# Altium PCB PCB_v2.PcbDoc (part 2 of 2)
Units mm, origin at the board's own origin, x right, y up, seen from the top; angles counter-clockwise.
Board outline 220 x 129.77 mm, 2 copper layers (Top Layer, Bottom Layer); 145 components, 83 nets, 483 pads, 5 vias.
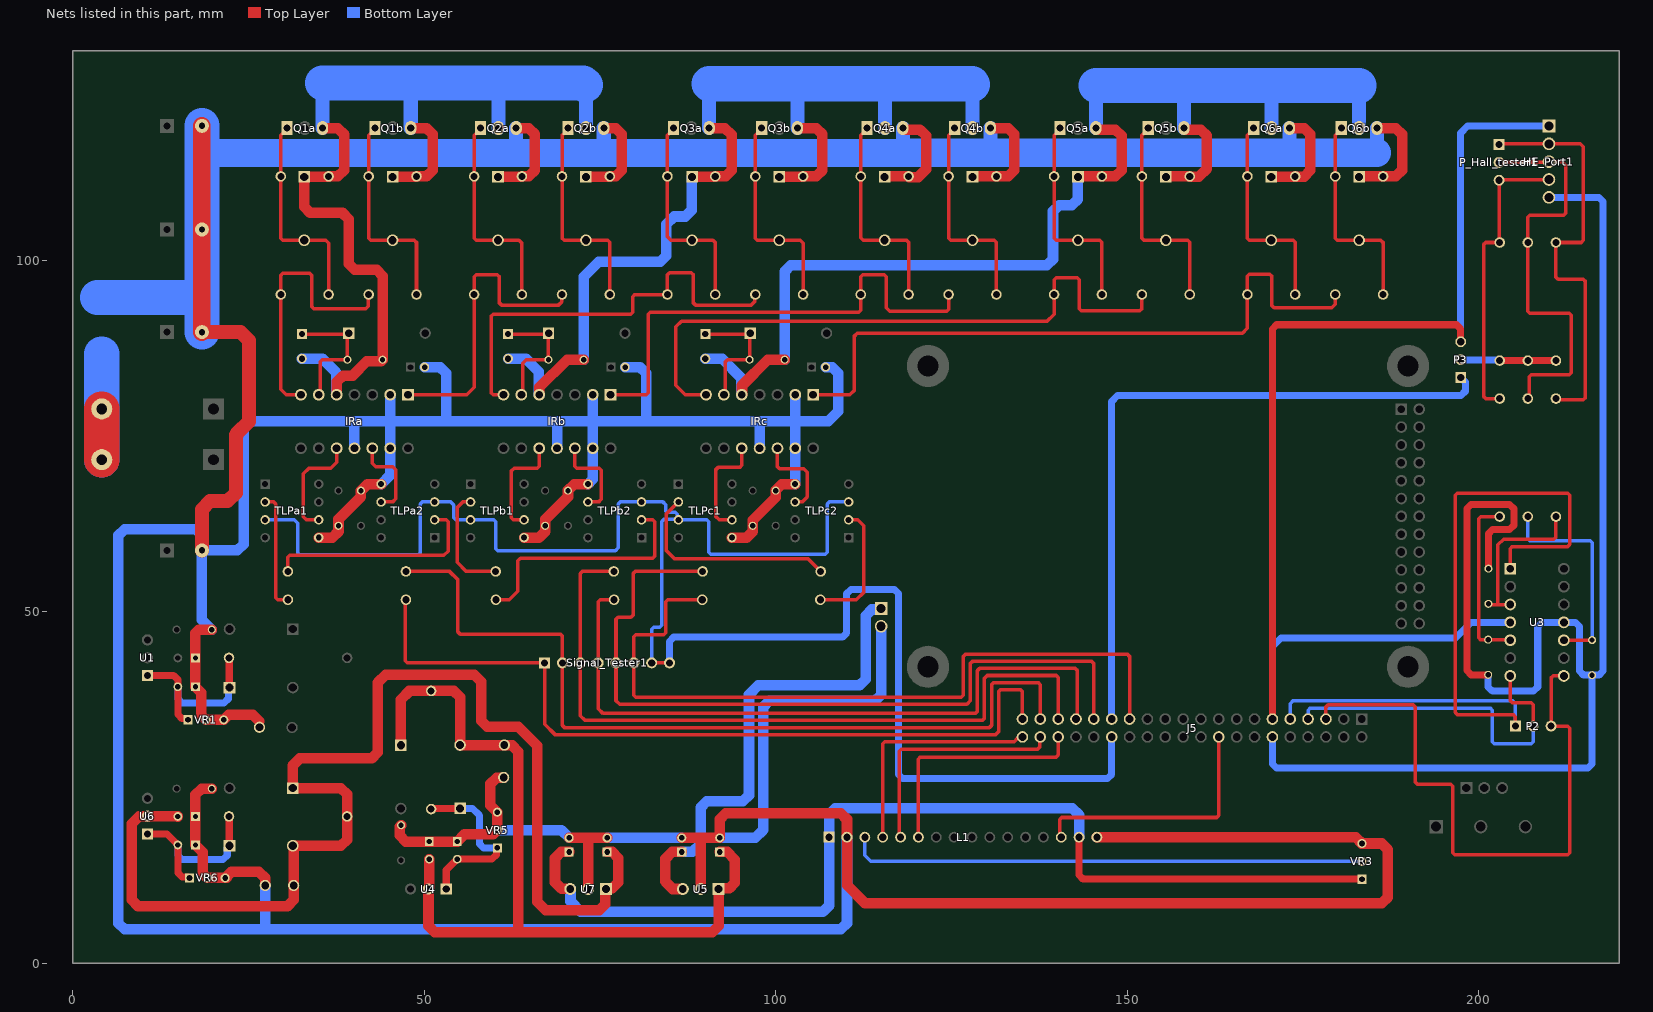
[diagram p2: the nets of this part, all layers, seen from the top]

## Via types
v1: diameter 3, hole 3, Top Layer to Bottom Layer, 5 vias

## Nets (pads, with @x,y where several pads share a name; then routed paths per layer and width w, separated by ;. In a path a pad name is that pad's centre, name@x,y a point inside that pad or via, vN(x,y) a via of type N, cw(c..) or ccw(c..) an arc to the next point about the centre after c; other vN are vias at no path point) (continued)
D7: J5.18 L1.14 | length 36.6
  Top Layer w0.5: L1.14@140.62,17.9 140.419,18.101 140.419,18.705 140.406,18.718 140.406,20.407 140.699,20.7 162.747,20.7 163.04,20.993 J5.18@163.04,32.16
E: J5.36 L1.6 | length 33.8
  Top Layer w0.5: L1.6@120.3,17.9 120.3,29.007 120.593,29.3 139.887,29.3 140.18,29.593 J5.36@140.18,32.16
F20V: C10.2 C16.1 D5.1 D6.2 J6.1 R6.2 U4.2 U5.1 | length 122.4
  Top Layer w1.5: D5.1@46.688,30.987 D5.1@46.675,30.975 46.675,37.475 47.9,38.7 54.221,38.7 55.1,37.821 D6.2@55.1,31 J6.1@61.4,31 61.419,30.981 62.49,30.981 63.4,30.071 63.4,4.5 63.5,4.4 ; C10.2@50.721,14.775 50.721,10.684 50.59,10.552 U4.2@50.59,10.525 50.609,10.506 50.609,5.279 51.488,4.4 90.996,4.4 91.875,5.279 U5.1@91.875,10.525 91.975,10.625 93.421,10.625 94.2,11.404 94.2,14.7 93.1,15.8 C16.1@92.035,15.8
F_5V: C19.1 DC_Power1.1 U5.3 | length 68.3
  Top Layer w1.5: C19.1@86.635,15.8 85.3,15.8 84.3,14.8 84.3,11.6 85.375,10.525 U5.3@86.795,10.525
  Bottom Layer w1.5: C19.1@86.635,15.8 88.15,15.8 89.335,16.985 89.335,22.121 90.214,23 95.321,23 96.2,23.879 96.2,38.171 97.529,39.5 111.921,39.5 112.8,40.379 112.8,49.411 113.679,50.29 114.85,50.29 DC_Power1.1@115,50.44
FGND1: C7.1 C8.1 C20.1 HE_Port1.5 J5.12 U3.11 | length 216.6
  Top Layer w1: C7.1@201.356,41 198.936,41 198.35,41.586 198.35,64.664 198.936,65.25 204.414,65.25 205,64.664 205,62.236 204.414,61.65 201.986,61.65 201.4,61.064 C20.1@201.4,56.1
  Bottom Layer w1: J5.12@170.66,32.16 170.66,28.306 171.246,27.72 215.554,27.72 216.14,28.306 C8.1@216.14,40.94 217.129,40.94 217.715,41.526 217.715,108.334 217.129,108.92 HE_Port1.5@210,108.92 ; C7.1@201.356,40.959 201.356,39.276 201.942,38.69 207.824,38.69 208.41,39.276 208.41,47.874 208.996,48.46 U3.11@212.18,48.46 ; U3.11@212.12,48.46 213.774,48.46 214.36,47.874 214.36,41.526 214.946,40.94 C8.1@216.099,40.94
FGND2: J5.30 Signal_Tester1.7 Signal_Tester1.8 TLPa1.3 TLPa2.3 TLPb1.3 TLPb2.3 TLPc1.3 TLPc2.3 | length 251.3
  Top Layer w0.5: Signal_Tester1.7@82.36,42.7 Signal_Tester1.8@84.9,42.7
  Bottom Layer w0.5: TLPa1.3@27.375,63.05 31.5,63.05 32,62.55 32,58.343 32.293,58.05 49.118,58.05 49.411,58.343 49.411,65.297 49.704,65.59 TLPa2.3@51.485,65.59 53.76,65.59 54.2,65.15 54.2,63.343 54.493,63.05 59.857,63.05 60.15,62.757 60.15,58.943 60.443,58.65 77.2,58.65 77.6,59.05 77.6,65.297 77.893,65.59 TLPb2.3@80.91,65.59 83.96,65.59 84.35,65.2 84.35,64.3 84.493,64.157 85.656,64.157 85.987,63.826 85.987,63.213 TLPc1.3@86.1,63.1 ; Signal_Tester1.7@82.36,42.7 82.36,47.457 82.653,47.75 83.507,47.75 83.8,48.043 83.8,62.8 84.1,63.1 TLPc1.3@86.1,63.1 ; TLPc2.3@110.385,65.59 107.603,65.59 107.31,65.297 107.31,58.443 107.017,58.15 90.743,58.15 90.45,58.443 90.45,62.757 90.157,63.05 TLPc1.3@86.15,63.05 TLPc1.3@86.1,63.1
  Bottom Layer w1: Signal_Tester1.8@84.9,42.7 84.9,45.764 85.486,46.35 109.514,46.35 110.1,46.936 110.1,52.564 110.686,53.15 116.864,53.15 117.45,52.564 117.45,26.836 118.036,26.25 147.214,26.25 147.8,26.836 J5.30@147.8,32.16
G1: J5.39 RG1.1 Signal_Tester1.1 | length 116
  Top Layer w0.5: RG1.1@47.4,51.675 47.306,51.581 47.306,42.993 47.599,42.7 Signal_Tester1.1@67.12,42.7 67.12,33.98 68.6,32.5 131.3,32.5 131.7,32.9 131.7,38.607 131.993,38.9 134.807,38.9 135.1,38.607 J5.39@135.1,34.7
G2: J5.37 RG2.1 Signal_Tester1.2 | length 122.3
  Top Layer w0.5: RG2.1@47.4,55.7 53.6,55.7 54.8,54.5 54.8,47.093 55.093,46.8 69.367,46.8 69.66,46.507 69.66,33.793 69.953,33.5 130.407,33.5 130.7,33.793 130.7,39.607 130.993,39.9 137.347,39.9 137.64,39.607 J5.37@137.64,34.7
G3: J5.35 RG3.1 Signal_Tester1.3 | length 105.4
  Top Layer w0.5: RG3.1@76.963,55.7 72.493,55.7 72.2,55.407 Signal_Tester1.3@72.2,42.7 72.2,35.193 72.893,34.5 129.407,34.5 129.7,34.793 129.7,40.507 130.093,40.9 139.887,40.9 140.18,40.607 J5.35@140.18,34.7
G4: J5.33 RG4.1 Signal_Tester1.4 | length 99.2
  Top Layer w0.5: RG4.1@77,51.675 75.033,51.675 74.74,51.382 Signal_Tester1.4@74.74,42.7 74.74,36.193 75.433,35.5 128.407,35.5 128.7,35.793 128.7,41.607 128.993,41.9 142.634,41.9 142.927,41.607 142.927,34.907 J5.33@142.72,34.7
G5: J5.31 RG5.1 Signal_Tester1.5 | length 112
  Top Layer w0.5: RG5.1@89.6,55.7 79.993,55.7 79.7,55.407 79.7,49.493 79.407,49.2 77.573,49.2 77.28,48.907 77.28,37.32 77.8,36.8 127.207,36.8 127.7,37.293 127.7,42.607 127.993,42.9 144.967,42.9 145.26,42.607 J5.31@145.26,34.7
G6: J5.27 RG6.1 Signal_Tester1.6 | length 108.2
  Top Layer w0.5: RG6.1@89.55,51.675 84.643,51.675 84.35,51.382 84.35,46.993 84.057,46.7 80.113,46.7 79.82,46.407 Signal_Tester1.6@79.82,42.7 79.82,38.093 80.113,37.8 126.407,37.8 126.7,38.093 126.7,43.607 126.993,43.9 150.047,43.9 150.34,43.607 J5.27@150.34,34.7
GND: C1.1 C2.1 C3.1 C4.2 C5.2 C6.2 C9.1 C10.1 C11.1 C12.1 C13.1 C14.1 C15.2 C16.2 C17.2 C18.2 C19.2 Ca1.1 Ca2.1 Ca3.2 Cb1.1 Cb2.1 Cb3.2 Cc1.1 Cc2.1 Cc3.2 D2a.1 D2b.1 D4a.1 D4b.1 D6a.1 D6b.1 DC_Power1.2 IRa.2 IRa.11 IRa.13 IRb.2 IRb.11 IRb.13 IRc.2 IRc.11 IRc.13 J2.1 J7.1 J9.1 L1.2 L1.16 Q2a.3 Q2b.3 Q4a.3 Q4b.3 Q6a.3 Q6b.3 R2b.2 R2d.2 R4b.1 R4d.1 R6b.1 R6d.1 TLPa1.5 TLPa2.5 TLPb1.5 TLPb2.5 TLPc1.5 TLPc2.5 U5.2 U7.2 VR1.2 VR1.3 VR3.3 VR5.2 VR5.3 VR6.2 VR6.3 | length 1154.3
  Top Layer w1.5: VR6.2@19.14,12.1 18.5,12.74 18.5,15.75 C14.1@17.45,16.8 C13.1@17.45,20.843 17.45,23.921 18.329,24.8 C12.1@19.777,24.8 ; VR6.2@19.2,12.1 VR6.3@21.88,12.1 ; C1.1@19.777,47.423 17.959,47.423 17.45,46.914 C3.1@17.45,43.393 C2.1@17.45,39.3 18.3,38.45 18.3,35.24 VR1.2@18.94,34.6 VR1.3@21.48,34.6 22.18,35.3 25.621,35.3 26.531,34.39 ; VR6.3@21.68,12.1 22.58,13 26.446,13 27.356,12.09 27.356,11.054 J9.1@27.375,11.035 ; TLPa1.5@34.995,60.51 36.921,60.51 37.8,61.389 37.8,63.15 41,66.35 Ca2.1@41,67.2 41.93,68.13 TLPa2.5@43.865,68.13 ; C9.1@46.7,19.602 46.495,19.396 46.495,18.154 47.373,17.275 C10.1@50.721,17.275 C11.1@54.7,17.275 55.725,18.3 59.785,18.3 VR5.2@60.4,18.915 VR5.3@60.4,21.455 59.4,22.455 59.4,25.471 60.31,26.381 61.281,26.381 J7.1@61.3,26.4 ; D2a.1@60.5,111.825 63.825,111.825 R2b.2@63.9,111.9 64.871,111.9 65.75,112.779 65.75,117.896 64.871,118.775 Q2a.3@63.08,118.775 ; TLPb1.5@64.21,60.51 66.321,60.51 67.2,61.389 67.2,63.1 70.45,66.35 70.45,67.251 71.329,68.13 TLPb2.5@73.29,68.13 ; C17.2@70.61,17.8 73.31,17.8 ; D2b.1@73,111.825 76.325,111.825 R2d.2@76.4,111.9 77.221,111.9 78.1,112.779 78.1,117.896 77.221,118.775 Q2b.3@75.54,118.775 ; U7.2@73.31,10.525 73.31,17.8 ; C18.2@76.01,17.8 73.31,17.8 ; C19.2@86.635,17.8 89.335,17.8 ; U5.2@89.335,10.525 89.335,17.8 ; TLPc1.5@93.77,60.51 95.846,60.51 96.725,61.389 96.725,62.975 100,66.25 100,67.251 100.879,68.13 TLPc2.5@102.765,68.13 ; L1.2@110.14,17.914 110.14,20.421 109.261,21.3 92.914,21.3 92.035,20.421 C16.2@92.035,17.8 89.335,17.8 ; L1.2@110.15,17.89 110.15,11.05 112.7,8.5 186.221,8.5 187.1,9.379 187.1,16.121 186.221,17 VR3.3@183.4,17 182.5,17.9 L1.16@145.7,17.9 ; D4a.1@115.5,111.825 115.575,111.9 R4b.1@118.575,111.9 ; Q4a.3@118.08,118.775 118.08,118.602 118.126,118.556 120.521,118.556 121.4,117.677 121.4,112.95 120.246,111.796 119.004,111.796 R4b.1@118.9,111.9 ; D4b.1@128,111.825 128.075,111.9 131.075,111.9 R4d.1@131.4,111.9 133.071,111.9 133.95,112.779 133.95,117.896 133.071,118.775 Q4b.3@130.54,118.775 ; D6a.1@170.5,111.825 173.825,111.825 R6b.1@173.9,111.9 ; Q6a.3@173.08,118.775 173.101,118.775 173.126,118.75 175.171,118.75 176.05,117.871 176.05,112.75 175.171,111.871 173.929,111.871 R6b.1@173.9,111.9 ; R6b.1@173.95,111.95 R6b.1@173.9,111.9 ; D6b.1@183,111.825 183.075,111.9 R6d.1@186.075,111.9 ; Q6b.3@185.54,118.775 188.221,118.775 189.1,117.896 189.1,112.779 188.221,111.9 R6d.1@186.4,111.9
  Top Layer w2: C15.2@18.375,58.7 18.375,64.528 19.547,65.7 22.028,65.7 23.2,66.872 23.2,75.132 23.4,75.332 23.4,75.4 25.05,77.05 25.05,88.578 23.878,89.75 C6.2@18.375,89.75
  Top Layer w2.5: C6.2@18.375,89.75 C5.2@18.375,104.35 C4.2@18.375,119.1
  Bottom Layer w1.5: C1.1@19.777,47.423 18.375,48.825 C15.2@18.375,58.7 ; J9.1@27.375,11.035 27.375,4.925 27.5,4.8 ; IRa.11@40.075,73.225 40.075,77.025 40.05,77.05 ; TLPa2.5@43.865,68.13 45.155,69.42 IRa.13@45.155,73.225 45.155,77.05 ; IRa.2@45.155,80.845 45.155,77.05 ; Ca3.2@50.05,84.775 52.246,84.775 53.125,83.896 53.125,77.05 ; VR5.2@60.4,18.915 69.495,18.915 C17.2@70.61,17.8 ; 63.05,114.99 63.08,115.02 63.08,115.24 ; IRb.11@68.892,73.225 68.892,77.043 68.9,77.05 ; TLPb2.5@73.29,68.13 73.972,68.813 IRb.13@73.972,73.225 73.972,77.05 ; IRb.2@73.972,80.845 73.972,77.05 ; 75.54,115.95 76.301,115.189 ; C18.2@76.01,17.8 C19.2@86.635,17.8 ; Cb3.2@78.575,84.775 80.696,84.775 81.575,83.896 81.575,77.05 ; C16.2@92.035,17.8 97.071,17.8 98.2,18.929 98.2,36.421 99.079,37.3 114.121,37.3 115,38.179 DC_Power1.2@115,47.9 ; IRc.11@97.71,73.225 97.71,76.99 97.65,77.05 ; TLPc2.5@102.765,68.13 102.79,68.155 102.79,77.05 ; IRc.2@102.79,80.845 102.79,77.05 ; Cc3.2@107.1,84.775 108.021,84.775 108.9,83.896 108.9,78.5 107.45,77.05 102.79,77.05 ; L1.2@110.14,17.9 110.14,5.679 109.261,4.8 27.5,4.8 ; 118.08,115.06 118.08,115.24 ; 173.08,115.06 173.15,114.99 ; C15.2@18.375,58.7 18.375,60.821 17.496,61.7 7.374,61.7 6.495,60.821 6.495,5.679 7.374,4.8 27.5,4.8 ; C15.2@18.375,58.7 23.421,58.7 24.3,59.579 24.3,76.171 25.179,77.05 40.05,77.05 ; 40.05,77.05 45.155,77.05 ; 45.155,77.05 53.125,77.05 ; 53.125,77.05 68.9,77.05 ; 68.9,77.05 73.972,77.05 ; 73.972,77.05 81.575,77.05 ; 81.575,77.05 97.65,77.05 ; 97.65,77.05 102.79,77.05
  Bottom Layer w2: 63.08,115.24 Q2a.3@63.08,118.775 ; 75.54,115.95 Q2b.3@75.54,118.775 ; 118.08,115.24 Q4a.3@118.08,118.775 ; 130.54,115.87 Q4b.3@130.54,118.775 ; 173.08,115.06 Q6a.3@173.08,118.775 ; 185.54,115.27 Q6b.3@185.54,118.775
  Bottom Layer w4: 18.375,115.24 63.08,115.24 75.54,115.24 118.08,115.24 ; 118.08,115.27 173.08,115.27 185.54,115.27
  Bottom Layer w5: 3.5,94.7 18.12,94.7 18.375,94.955 ; C6.2@18.375,89.75 C5.2@18.375,104.35 18.375,115.24 C4.2@18.375,119.1
HA_in: HE_Port1.2 P_Hall_tester1.1 R4.1 Ra1.2 | length 59.9
  Top Layer w0.5: P_Hall_tester1.1@202.9,116.44 203,116.54 214.46,116.54 214.9,116.1 214.9,102.8 214.6,102.5 Ra1.2@211,102.5 211,97.543 211.293,97.25 214.907,97.25 215.2,96.957 215.2,80.402 214.907,80.109 211.191,80.109 R4.1@211,80.3
Hall1: J5.9 P2.1 U3.1 | length 113.9
  Top Layer w0.5: U3.1@204.5,56.08 204.5,58.957 204.793,59.25 212.657,59.25 212.95,59.543 212.95,66.557 212.657,66.85 196.943,66.85 196.65,66.557 196.65,35.643 196.943,35.35 204.9,35.35 205.22,35.03 P2.1@205.22,33.7
  Bottom Layer w0.5: J5.9@173.2,34.7 173.2,36.894 173.581,37.275 204.839,37.275 205.22,36.894 P2.1@205.22,33.7
Hall2: J5.5 P2.3 U3.8 | length 86.5
  Top Layer w0.5: J5.5@178.28,34.7 178.28,36.427 178.573,36.72 190.707,36.72 191,36.427 191,25.743 191.293,25.45 196.007,25.45 196.3,25.157 196.3,15.693 196.593,15.4 212.657,15.4 212.95,15.693 212.95,33.407 212.657,33.7 P2.3@210.3,33.7 210.3,40.547 210.593,40.84 U3.8@212.12,40.84
Hall3: J5.7 P2.2 U3.7 | length 50.5
  Top Layer w0.5: U3.7@204.5,40.84 204.5,37.343 204.793,37.05 207.467,37.05 207.76,36.757 P2.2@207.76,33.7
  Bottom Layer w0.5: J5.7@175.74,34.7 175.74,35.957 176.058,36.275 201.632,36.275 201.95,35.957 201.95,31.493 202.243,31.2 207.467,31.2 207.76,31.493 P2.2@207.76,33.7
HB_in: HE_Port1.3 P_Hall_tester1.2 R5.1 Rb1.2 | length 59.5
  Top Layer w0.5: P_Hall_tester1.2@202.9,113.9 202.95,113.95 209.95,113.95 HE_Port1.3@210,114 211.9,114 212.4,113.5 212.4,106.693 212.107,106.4 207.293,106.4 207,106.107 Rb1.2@207,102.5 207,92.743 207.293,92.45 212.857,92.45 213.15,92.157 213.15,83.993 212.857,83.7 207.484,83.7 207.191,83.407 207.191,80.491 R5.1@207,80.3
HC_in: HE_Port1.4 P_Hall_tester1.3 R3.1 Rc1.2 | length 42.5
  Top Layer w0.5: R3.1@203,80.3 200.993,80.3 200.7,80.593 200.7,102.207 200.993,102.5 Rc1.2@203,102.5 202.95,102.55 202.95,111.31 P_Hall_tester1.3@202.9,111.36 202.95,111.41 209.95,111.41 HE_Port1.4@210,111.46
L20V: C13.2 C18.1 D7.1 D8.2 J8.1 R7.2 U6.2 U7.1 | length 170.1
  Top Layer w1.5: C13.2@14.95,20.843 14.903,20.89 U6.2@10.625,20.89 10.606,20.871 9.485,20.871 8.4,19.786 8.4,8.979 9.279,8.1 30.546,8.1 31.425,8.979 J8.1@31.425,11.035 31.425,16.514 31.3,16.639 D8.2@31.3,16.68 38.146,16.68 39.025,17.559 R7.2@39.025,20.849 39.025,23.998 38.146,24.877 D7.1@31.3,24.877 31.3,28.1 32.3,29.1 42.521,29.1 43.4,29.979 43.4,39.9 44.5,41 57.1,41 58.1,40 58.1,34.479 58.979,33.6 63.4,33.6 66.1,30.9 66.1,8.7 67.3,7.5 74.871,7.5 75.75,8.379 75.75,10.425 U7.1@75.85,10.525 ; C18.1@76.01,15.8 76.721,15.8 77.6,14.921 77.6,11.504 76.721,10.625
L_5V: C17.1 L1.1 L1.15 U7.3 VR3.1 | length 146.2
  Top Layer w1: L1.15@143.16,17.9 143.16,12.506 143.746,11.92 VR3.1@183.4,11.92
  Top Layer w1.5: C17.1@70.61,15.8 69.479,15.8 68.6,14.921 68.6,11.496 69.533,10.563 70.732,10.563 U7.3@70.77,10.525
  Bottom Layer w1.5: U7.3@70.77,10.525 70.808,10.487 70.808,8.77 72.279,7.3 106.721,7.3 107.6,8.179 107.6,21.121 108.479,22 142.2,22 143.15,21.05 143.15,17.91 L1.15@143.16,17.9
NetC2_2: C2.2 D2.1 R1.1 U1.1 VR1.1 | length 26.6
  Top Layer w1: U1.1@10.625,40.885 14.358,40.885 14.944,40.299 14.944,39.306 C2.2@14.95,39.3 14.95,35.336 15.536,34.75 16.25,34.75 VR1.1@16.4,34.6 ; R1.1@22.225,43.41 22.262,43.372 22.262,39.218 D2.1@22.3,39.18
  Bottom Layer w1: C2.2@14.95,39.3 14.95,37.586 15.536,37 21.537,37 22.123,37.586 22.123,39.003 D2.1@22.3,39.18
NetC7_2: C7.2 R3.2 U3.5 | length 24.7
  Top Layer w0.5: C7.2@201.356,45.96 200.293,45.96 200,46.253 200,63.207 200.293,63.5 R3.2@203,63.5 ; C7.2@201.356,46 204.42,46 U3.5@204.5,45.92
NetC8_2: C8.2 R5.2 U3.10 | length 30.4
  Top Layer w0.5: U3.10@212.12,45.92 212.13,45.93 216.13,45.93 C8.2@216.14,45.94
  Bottom Layer w0.5: R5.2@207,63.5 207,60.383 207.293,60.09 215.847,60.09 216.14,59.797 C8.2@216.14,45.94
NetC11_2: C11.2 D6.1 R6.1 U4.1 VR5.1 | length 25.9
  Top Layer w1: R6.1@50.982,21.9 51.033,21.95 55.05,21.95 D6.1@55.1,22 ; U4.1@53.13,10.525 53.13,13.205 C11.2@54.7,14.775 59.664,14.775 60.25,15.361 60.25,16.225 VR5.1@60.4,16.375
  Bottom Layer w1: D6.1@55.1,22 56.85,22 57.838,21.012 57.838,16.961 58.423,16.375 VR5.1@60.4,16.375
NetC14_2: C14.2 D8.1 R7.1 U6.1 VR6.1 | length 25.6
  Top Layer w1: U6.1@10.625,18.35 13.4,18.35 C14.2@14.95,16.8 14.95,12.836 15.536,12.25 16.45,12.25 VR6.1@16.6,12.1 ; R7.1@22.225,20.849 22.262,20.811 22.262,16.718 D8.1@22.3,16.68
  Bottom Layer w1: C14.2@14.95,16.8 14.95,15.286 15.536,14.7 21.389,14.7 21.975,15.286 21.975,16.355 D8.1@22.3,16.68
NetC20_2: C20.2 R4.2 U3.3 | length 23
  Top Layer w0.5: C20.2@201.4,51.1 201.5,51 202.5,51 ; U3.3@204.5,51 202.725,51 202.725,59.475 203.55,60.3 210.707,60.3 211,60.593 R4.2@211,63.5
NetCa4_1: Ca4.1 Ca5.2 Da.1 IRa.6 | length 19.1
  Top Layer w0.5: Ca4.1@32.6,89.475 Da.1@39.137,89.475 ; IRa.6@34.995,80.845 35.22,81.07 35.22,85.532 35.513,85.825 Ca5.2@39.075,85.825 39.075,89.413 Da.1@39.137,89.475 ; Da.1@39.262,89.6 Da.1@39.137,89.475
NetCb4_1: Cb4.1 Cb5.2 Db.1 IRb.6 | length 18
  Top Layer w0.5: Cb4.1@61.925,89.475 67.562,89.475 Db.1@67.675,89.588 ; IRb.6@63.812,80.845 64.038,81.07 64.038,85.338 64.525,85.825 Cb5.2@67.675,85.825 Db.1@67.675,89.588 ; Db.1@67.687,89.6 Db.1@67.675,89.588
NetCc4_1: Cc4.1 Cc5.2 Dc.1 IRc.6 | length 18.4
  Top Layer w0.5: Cc4.1@90,89.475 96.237,89.475 Dc.1@96.275,89.513 ; IRc.6@92.63,80.845 92.855,81.07 92.855,85.532 93.148,85.825 Cc5.2@96.275,85.825 Dc.1@96.275,89.513 ; Dc.1@96.362,89.6 Dc.1@96.275,89.513
NetD1a_2: D1a.2 Q1a.1 R1a.2 R1b.1 | length 30.4
  Top Layer w0.5: Q1a.1@30.46,118.775 30.46,118.575 29.91,118.025 29.893,118.025 29.6,117.732 29.6,103.118 29.893,102.825 35.975,102.825 36.4,102.4 R1b.1@36.4,95.1
NetD1b_2: D1b.2 Q1b.1 R1c.2 R1d.1 | length 30.5
  Top Layer w0.5: Q1b.1@43,118.775 43,118.575 42.45,118.025 42.393,118.025 42.1,117.732 42.1,103.118 42.393,102.825 48.575,102.825 48.9,102.5 R1d.1@48.9,95.1
NetD2a_2: D2a.2 Q2a.1 R2a.2 R2b.1 | length 30.5
  Top Layer w0.5: Q2a.1@58,118.775 58,118.575 57.45,118.025 57.393,118.025 57.1,117.732 57.1,103.118 57.393,102.825 63.475,102.825 63.9,102.4 R2b.1@63.9,95.1
NetD2b_2: D2b.2 Q2b.1 R2c.2 R2d.1 | length 30.5
  Top Layer w0.5: Q2b.1@70.46,118.775 70.46,118.575 69.91,118.025 69.893,118.025 69.6,117.732 69.6,103.118 69.893,102.825 76.107,102.825 76.4,102.532 R2d.1@76.4,95.1
NetD3a_2: D3a.2 Q3a.1 R3a.2 R3b.2 | length 30.4
  Top Layer w0.5: Q3a.1@85.46,118.775 85.46,118.575 84.91,118.025 84.893,118.025 84.6,117.732 84.6,103.3 85.075,102.825 91.075,102.825 91.4,102.5 R3b.2@91.4,95.1
NetD3b_2: D3b.2 Q3b.1 R3c.2 R3d.2 | length 30.5
  Top Layer w0.5: Q3b.1@98,118.775 98,118.575 97.45,118.025 97.393,118.025 97.1,117.732 97.1,103.118 97.393,102.825 103.475,102.825 103.9,102.4 R3d.2@103.9,95.1
NetD4a_2: D4a.2 Q4a.1 R4a.2 R4b.2 | length 30.5
  Top Layer w0.5: Q4a.1@113,118.775 113,118.575 112.45,118.025 112.393,118.025 112.1,117.732 112.1,103.2 112.475,102.825 118.607,102.825 118.9,102.532 R4b.2@118.9,95.1
NetD4b_2: D4b.2 Q4b.1 R4c.2 R4d.2 | length 30.5
  Top Layer w0.5: Q4b.1@125.46,118.775 125.46,118.575 124.91,118.025 124.893,118.025 124.6,117.732 124.6,103.118 124.893,102.825 131.107,102.825 131.4,102.532 R4d.2@131.4,95.1
NetD5a_2: D5a.2 Q5a.1 R5a.2 R5b.2 | length 30.5
  Top Layer w0.5: Q5a.1@140.46,118.775 140.46,118.575 139.91,118.025 139.893,118.025 139.6,117.732 139.6,103.118 139.893,102.825 146.107,102.825 146.4,102.532 R5b.2@146.4,95.1
NetD5b_2: D5b.2 Q5b.1 R5c.2 R5d.2 | length 30.5
  Top Layer w0.5: Q5b.1@153,118.775 153,118.575 152.45,118.025 152.393,118.025 152.1,117.732 152.1,103.118 152.393,102.825 158.607,102.825 158.9,102.532 R5d.2@158.9,95.1
NetD6a_2: D6a.2 Q6a.1 R6a.2 R6b.2 | length 30.5
  Top Layer w0.5: Q6a.1@168,118.775 168,118.575 167.45,118.025 167.393,118.025 167.1,117.732 167.1,103.118 167.393,102.825 173.607,102.825 173.9,102.532 R6b.2@173.9,95.1
NetD6b_2: D6b.2 Q6b.1 R6c.2 R6d.2 | length 30.5
  Top Layer w0.5: Q6b.1@180.46,118.775 180.46,118.575 179.91,118.025 179.893,118.025 179.6,117.732 179.6,103.118 179.893,102.825 186.075,102.825 186.4,102.5 R6d.2@186.4,95.1
NetIRa_1: IRa.1 R2a.1 R2c.1 | length 43.3
  Top Layer w0.5: IRa.1@47.695,80.845 56.045,80.845 57.1,81.9 R2a.1@57.1,95.1 57.1,97.607 57.393,97.9 60.407,97.9 60.7,97.607 60.7,93.893 60.993,93.6 69.1,93.6 69.539,94.039 69.539,95.039 R2c.1@69.6,95.1
NetIRa_7: IRa.7 R1a.1 R1c.1 | length 38.4
  Top Layer w0.5: IRa.7@32.455,80.845 30.355,80.845 29.6,81.6 R1a.1@29.6,95.1 29.6,97.807 29.893,98.1 33.707,98.1 34,97.807 34,93.393 34.293,93.1 41.7,93.1 42.039,93.439 42.039,95.039 R1c.1@42.1,95.1
NetIRa_10: IRa.10 TLPa1.6 | length 15.9
  Top Layer w0.5: TLPa1.6@34.995,63.05 33.25,63.05 32.8,63.5 32.8,69.6 33.6,70.4 36.7,70.4 37.535,71.235 IRa.10@37.535,73.225
NetIRa_12: IRa.12 TLPa2.6 | length 12.2
  Top Layer w0.5: IRa.12@42.615,73.225 42.615,71.085 43.1,70.6 45.5,70.6 45.943,70.157 45.943,66.043 45.49,65.59 TLPa2.6@43.865,65.59
NetIRb_1: IRb.1 R4a.1 R4c.1 | length 71.4
  Top Layer w0.5: IRb.1@76.512,80.845 81.549,80.845 81.842,81.138 81.842,92.299 82.135,92.592 111.807,92.592 112.1,92.885 R4a.1@112.1,95.1 112.1,97.607 112.393,97.9 115.407,97.9 115.7,97.607 115.7,93.2 116.2,92.7 124.307,92.7 124.6,92.993 R4c.1@124.6,95.1
NetIRb_7: IRb.7 R3a.1 R3c.1 | length 61.3
  Top Layer w0.5: IRb.7@61.272,80.845 59.793,80.845 59.5,81.138 59.5,92.007 59.793,92.3 79.357,92.3 79.65,92.593 79.65,94.807 79.943,95.1 R3a.1@84.6,95.1 84.6,97.907 84.893,98.2 88.007,98.2 88.3,97.907 88.3,93.893 88.593,93.6 96.5,93.6 96.989,94.089 96.989,94.989 R3c.1@97.1,95.1
NetIRb_10: IRb.10 TLPb1.6 | length 15.4
  Top Layer w0.5: TLPb1.6@64.21,63.05 62.693,63.05 62.4,63.343 62.4,70 62.8,70.4 66.06,70.4 66.352,70.693 IRb.10@66.352,73.225
NetIRb_12: IRb.12 TLPb2.6 | length 12.7
  Top Layer w0.5: IRb.12@71.432,73.225 71.432,70.693 71.725,70.4 74.907,70.4 75.2,70.107 75.2,66 74.79,65.59 TLPb2.6@73.29,65.59
NetIRc_1: IRc.1 R6a.1 R6c.1 | length 96.3
  Top Layer w0.5: IRc.1@105.33,80.845 110.545,80.845 111.2,81.5 111.2,89.2 111.6,89.6 166.4,89.6 167.1,90.3 R6a.1@167.1,95.1 167.1,97.707 167.393,98 170.307,98 170.6,97.707 170.6,93.493 170.893,93.2 179.1,93.2 179.6,93.7 R6c.1@179.6,95.1
NetIRc_7: IRc.7 R5a.1 R5c.1 | length 91.7
  Top Layer w0.5: IRc.7@90.09,80.845 87.155,80.845 85.8,82.2 85.8,90.5 86.6,91.3 138.6,91.3 139.6,92.3 R5a.1@139.6,95.1 139.6,97.207 139.893,97.5 142.907,97.5 143.2,97.207 143.2,93.093 143.493,92.8 151.8,92.8 152.1,93.1 R5c.1@152.1,95.1
NetIRc_10: IRc.10 TLPc1.6 | length 15.5
  Top Layer w0.5: TLPc1.6@93.77,63.05 91.95,63.05 91.5,63.5 91.5,70.207 91.793,70.5 94.877,70.5 95.17,70.793 IRc.10@95.17,73.225
NetIRc_12: IRc.12 TLPc2.6 | length 12.7
  Top Layer w0.5: IRc.12@100.25,73.225 100.25,70.593 100.543,70.3 104,70.3 104.5,69.8 104.5,66.3 103.79,65.59 TLPc2.6@102.765,65.59
NetL1_3: L1.3 VR3.2 | length 73.7
  Bottom Layer w0.5: L1.3@112.68,17.9 112.68,15.32 113.54,14.46 VR3.2@183.4,14.46
NetP3_2: P3.2 Ra1.1 Rb1.1 Rc1.1 | length 13.6
  Top Layer w1: Rc1.1@203,85.7 Ra1.1@211,85.7
  Bottom Layer w1: P3.2@197.45,85.84 197.52,85.77 202.93,85.77 Rc1.1@203,85.7
NetRG1_2: RG1.2 TLPa1.2 | length 16.8
  Top Layer w0.5: TLPa1.2@27.375,65.59 28.607,65.59 28.9,65.297 28.9,51.968 29.193,51.675 RG1.2@30.6,51.675
NetRG2_2: RG2.2 TLPa2.2 | length 31.4
  Top Layer w0.5: RG2.2@30.6,55.7 30.6,57.707 30.893,58 52.8,58 53.4,58.6 53.4,62.757 53.107,63.05 TLPa2.2@51.485,63.05
NetRG3_2: RG3.2 TLPb1.2 | length 16
  Top Layer w0.5: TLPb1.2@56.59,65.59 55.49,65.59 54.7,64.8 54.7,57 56,55.7 RG3.2@60.163,55.7
NetRG4_2: RG4.2 TLPb2.2 | length 34.6
  Top Layer w0.5: RG4.2@60.2,51.675 62.075,51.675 63.3,52.9 63.3,57.2 63.7,57.6 82.507,57.6 82.8,57.893 82.8,62.757 82.507,63.05 TLPb2.2@80.91,63.05
NetRG5_2: RG5.2 TLPc1.2 | length 30.9
  Top Layer w0.5: TLPc1.2@86.15,65.59 84.4,63.84 84.4,58.7 85.6,57.5 104.6,57.5 RG5.2@106.4,55.7
NetRG6_2: RG6.2 TLPc2.2 | length 18.5
  Top Layer w0.5: RG6.2@106.35,51.675 111.475,51.675 112.5,52.7 112.5,62.2 111.65,63.05 TLPc2.2@110.385,63.05
P1: Ca4.2 Ca5.1 D1a.1 D1b.1 IRa.5 Q1a.3 Q1b.3 Q2a.2 Q2b.2 R1b.2 R1d.2 | length 145.8
  Top Layer w1.5: Q1a.3@35.54,118.775 35.554,118.775 35.586,118.743 37.721,118.743 38.6,117.864 38.6,112.779 37.721,111.9 R1b.2@36.4,111.9 36.325,111.825 D1a.1@32.93,111.825 32.93,107.579 33.809,106.7 38.371,106.7 39.25,105.821 39.25,99.479 40.129,98.6 43.221,98.6 44.1,97.721 44.1,85.85 43.85,85.6 41.85,85.6 39.8,83.55 38.447,83.55 37.569,82.671 37.569,80.879 IRa.5@37.535,80.845 ; D1b.1@45.5,111.825 48.825,111.825 R1d.2@48.9,111.9 50.321,111.9 51.2,112.779 51.2,117.896 50.321,118.775 Q1b.3@48.08,118.775
  Bottom Layer w1.5: Ca4.2@32.6,85.975 35.525,85.975 37.501,83.999 37.501,80.879 IRa.5@37.535,80.845 ; Q1a.3@35.54,118.775 35.54,118.739 Q1a.3@35.586,118.693
  Bottom Layer w2: Q1a.3@35.54,118.775 35.54,125.19 ; Q1b.3@48.08,118.775 48.08,124.98 48.2,125.1 ; Q2a.2@60.54,118.775 60.54,125.09 60.55,125.1 ; 72.9,124.9 73,124.8 Q2b.2@73,118.775
  Bottom Layer w5: 35.54,125.19 72.61,125.19 72.9,124.9
P2: Cb4.2 Cb5.1 D3a.1 D3b.1 IRb.5 Q3a.3 Q3b.3 Q4a.2 Q4b.2 R3b.1 R3d.1 | length 148.8
  Top Layer w1.5: IRb.5@66.352,80.893 66.386,80.926 66.386,81.886 70.325,85.825 Cb5.1@72.675,85.825 ; D3a.1@88.1,111.825 91.325,111.825 R3b.1@91.4,111.9 92.871,111.9 93.75,112.779 93.75,117.8 92.775,118.775 Q3a.3@90.54,118.775 ; D3b.1@100.5,111.825 103.825,111.825 R3d.1@103.9,111.9 105.771,111.9 106.65,112.779 106.65,117.896 105.771,118.775 Q3b.3@103.08,118.775
  Bottom Layer w1.5: Cb4.2@61.925,85.975 64.475,85.975 66.319,84.131 66.319,80.879 IRb.5@66.352,80.845 ; Cb5.1@72.675,85.825 72.675,97.625 74.8,99.75 83.571,99.75 84.45,100.629 84.45,105.1 85.55,106.2 87.146,106.2 88.025,107.079 88.025,111.75 D3a.1@88.1,111.825
  Bottom Layer w2: Q3a.3@90.54,118.775 90.54,125.09 ; Q3b.3@103.08,118.775 103.08,124.93 103.2,125.05 ; Q4a.2@115.54,118.775 115.54,125.09 ; Q4b.2@128,118.775 128,125
  Bottom Layer w5: 90.54,125.09 115.54,125.09 127.91,125.09 128,125
P3: Cc4.2 Cc5.1 D5a.1 D5b.1 IRc.5 Q5a.3 Q5b.3 Q6a.2 Q6b.2 R5b.1 R5d.1 | length 174.8
  Top Layer w1.5: IRc.5@95.17,80.845 95.204,80.879 95.204,82.154 98.875,85.825 Cc5.1@101.275,85.825 ; D5a.1@143,111.825 143.075,111.9 R5b.1@146.075,111.9 ; Q5a.3@145.54,118.775 145.54,118.602 145.586,118.556 148.321,118.556 149.2,117.677 149.2,112.779 148.321,111.9 R5b.1@146.4,111.9 ; D5b.1@155.575,111.9 156.164,111.9 R5d.1@158.9,111.9 158.954,111.846 160.196,111.846 161.35,113 161.35,117.677 160.471,118.556 158.126,118.556 158.08,118.602 Q5b.3@158.08,118.775
  Bottom Layer w1.5: Cc4.2@90,85.975 92.375,85.975 95.136,83.214 95.136,80.879 IRc.5@95.17,80.845 ; Cc5.1@101.275,85.825 101.275,98.371 102.154,99.25 138.571,99.25 139.45,100.129 139.45,106.921 140.329,107.8 142.121,107.8 143,108.679 D5a.1@143,111.825
  Bottom Layer w2: Q5a.3@145.54,118.775 145.54,124.84 ; Q5b.3@158.08,118.775 158.08,124.73 158.1,124.75 ; 170.5,124.65 170.54,124.61 Q6a.2@170.54,118.775 ; Q6b.2@183,118.775 183,124.8
  Bottom Layer w5: 145.54,124.84 182.96,124.84 183,124.8
RS: J5.40 L1.4 | length 33.6
  Top Layer w0.5: L1.4@115.22,17.9 115.22,31.207 115.513,31.5 133.912,31.5 134.352,31.94 134.88,31.94 J5.40@135.1,32.16
RW: J5.38 L1.5 | length 34
  Top Layer w0.5: L1.5@117.76,17.9 117.6,18.06 117.6,30.107 117.893,30.4 137.243,30.4 137.536,30.693 137.536,32.056 J5.38@137.64,32.16
VCC: D3.1 D4.1 | length 22.3
  Top Layer w5: D4.1@4.126,71.6 D3.1@4.126,78.825
  Bottom Layer w5: D4.1@4.126,71.6 4.126,86.626
VCC3V: J5.29 P3.1 | length 98.3
  Bottom Layer w1: J5.29@147.8,34.7 147.8,79.9 148.65,80.75 197.514,80.75 198.1,81.336 198.1,82.65 P3.1@197.45,83.3
VCC5V: HE_Port1.1 J5.11 P3.3 U3.4 | length 172.9
  Top Layer w1: J5.11@170.66,34.7 170.66,90.214 171.246,90.8 196.864,90.8 197.45,90.214 P3.3@197.45,88.38
  Bottom Layer w1: J5.11@170.66,34.7 170.66,45.01 171.9,46.25 196.7,46.25 198.91,48.46 U3.4@204.5,48.46 ; P3.3@197.45,88.38 197.45,118.1 198.43,119.08 HE_Port1.1@210,119.08
pads on no net: IRa.4 IRa.8 IRa.14 IRb.4 IRb.8 IRb.14 IRc.4 IRc.8 IRc.14 J5.1 J5.2 J5.3 J5.4 J5.6 J5.8 J5.10 J5.13 J5.14 J5.15 J5.16 J5.17 J5.19 J5.21 J5.23 J5.25 P1.2 P1.3 P1.4 P1.5 P1.6 P1.7 P1.8 P1.9 P1.10 P1.11 P1.12 P1.13 P1.14 P1.15 P1.16 P1.17 P1.18 P1.19 P1.20 P1.21 P1.22 P1.23 P1.25 P1.x TLPa1.1 TLPa1.4 TLPa1.7 TLPa2.1 TLPa2.4 TLPa2.7 TLPb1.1 TLPb1.4 TLPb1.7 TLPb2.1 TLPb2.4 TLPb2.7 TLPc1.1 TLPc1.4 TLPc1.7 TLPc2.1 TLPc2.4 TLPc2.7 U3.2 U3.6 U3.9 U3.12 U3.13 U3.14
copper on no net:
  other v1: 3,3 217,3 114,74 3,127 217,127

## Polygon pours and split planes (outlines as drawn)
GND on Top Layer "GND_L01_P002" (solid, pour order 2): 0,129.77 192.03,129.77 192.03,93.04 191.92,93.15 0,93.15
GND on Bottom Layer "GND_L02_P004" (solid, pour order 4): 0,85.2 0.07,85.27 118.21,85.27 118.21,0 0,0
GND on Bottom Layer "GND_L02_P005" (solid, pour order 5): 192.03,129.77 192,129.74 192,88.87 0,88.87 0,129.77

## Other copper
Top Layer:
  rectangle net 36V_I: 15.81,74.67 21.4,77.95
  rectangle net GND: 17.15,88.45 21.18,120.39
  rectangle net 36V_I: 7.8,74.67 16.06,128.51
  rectangle net 36V_I: 10.87,121.2 158.1,128.5
Bottom Layer:
  rectangle net VCC: 1,69.1 9.16,89.15
  rectangle net GND: 0.91,92.2 16.13,99.9
  rectangle net P3: 142.9,121.2 185.6,128.5
  rectangle net P2: 88,121.1 130.6,128.5
  rectangle net P1: 33,121 75.8,128.5

## Silkscreen, mask and mechanical layers (free items; w line width, h text height)
Top Overlay:
  text "ha" at 197.4,115.831 h3
  text "hb" at 197.5,112.931 h3
  text "hc" at 197.5,110.231 h3
  text "5" at 193.85,87.433 h3
  text "3.3" at 195.55,79.133 h3
  text "+" at 109.7,49.589 h3
  text "-" at 110.2,46.923 h3
  text "--" at 81.55,44.873 h3
  text "--" at 84.05,44.873 h3
  text "3" at 71.55,44.783 h3
  text "5" at 76.75,44.783 h3
  text "6" at 79.15,44.783 h3
  text "1" at 66.55,44.75 h3
  text "2" at 68.947,44.75 h3
  text "4" at 73.95,44.75 h3
  text "D.by:NH." at 126.6,39.854 h3
  text "--" at 25.5,35.823 h3
  text "+15" at 28.6,35.633 h3
  text "BLDC Controller" at 84.77,34.613 h3
  text "Made In Indonesia" at 84.77,31.631 h3
  text "+15" at 63.4,29.533 h3
  text "a" at 200.1,28.731 h3
  text "ELVIS UNHAS" at 84.77,28.513 h3
  text "-" at 203,28.423 h3
  text "+" at 197.5,28.389 h3
  text "--" at 63.7,25.723 h3
  text "D.by:NH." at 168.71,9.284 h3
  text "--" at 26.5,7.423 h3
  text "+15" at 29.1,7.133 h3
Bottom Overlay:
  text "D.by:NH." at 214.58,127.284 h3
  text "GND" at 6.83,100.123 h3
  text "VCC" at 6.807,82.133 h3
Top Solder:
  lines w2: 32.98,124.56 33,118.775 ; 45.52,124.3 45.54,118.775 ; 88,118.775 88.03,124.38 ; 100.54,118.775 100.61,124.27 ; 143,118.56 143,124.415 ; 155.54,118.775 155.6,124.46
Bottom Solder:
  rectangle: 162.66,121.5 166.66,128.5
  rectangle: 52.51,121.5 56.51,128.5
  rectangle: 107.54,121.44 111.54,128.44
  rectangle: 1.03,85.12 9.03,89.12
  rectangle: 0.92,94.02 8.92,98.02
  lines w2: 35.54,118.775 35.54,124.42 ; 48.08,118.775 48.08,124.41 ; 60.54,118.775 60.54,124.44 ; 73,118.775 73,124.44 ; 90.54,118.775 90.54,124.09 ; 103.08,118.775 103.08,123.98 ; 115.54,118.775 115.54,123.92 ; 128,118.775 128,123.82 ; 145.54,118.775 145.54,124.08 ; 158.08,118.775 158.08,124.17 ; 170.54,118.775 170.54,124.19 ; 183,118.775 183,124.21

## Text inside footprints (layer, text, board x,y; h text height)
C4: Top Overlay "+" at 7.975,118.4 h1.5
C5: Top Overlay "+" at 7.975,103.65 h1.5
C6: Top Overlay "+" at 7.975,89.05 h1.5
C15: Top Overlay "+" at 7.975,58 h1.5
C16: Top Overlay "+" at 92.772,12.892 h1.5 r90
C17: Top Overlay "+" at 71.347,12.892 h1.5 r90
C18: Top Overlay "+" at 76.747,12.892 h1.5 r90
C19: Top Overlay "+" at 87.372,12.892 h1.5 r90
Ca3: Top Overlay "+" at 45.142,84.038 h1.5
Cb3: Top Overlay "+" at 73.667,84.038 h1.5
Cc3: Top Overlay "+" at 102.192,84.038 h1.5
J5: Top Overlay "40" at 133.37,32.53 h1.02 r180; Top Overlay "39" at 133.37,35.23 h1.02 r180; Top Overlay "1" at 185.49,35.23 h1.02 r180; Top Overlay "2" at 185.79,32.53 h1.02 r180
L1: Top Overlay "LCD1602" at 148.1,17.033 h3
P1: Top Overlay "26" at 191.17,46.57 h1.02 r270; Top Overlay "25" at 188.47,46.57 h1.02 r270; Top Overlay "1" at 188.47,80.91 h1.02 r270; Top Overlay "2" at 191.17,81.21 h1.02 r270; Top Overlay "DE0-NANO" at 155.226,75.44 h5 r270